# Altium PCB Beagle93.PCBDOC (part 5 of 7) (continued)
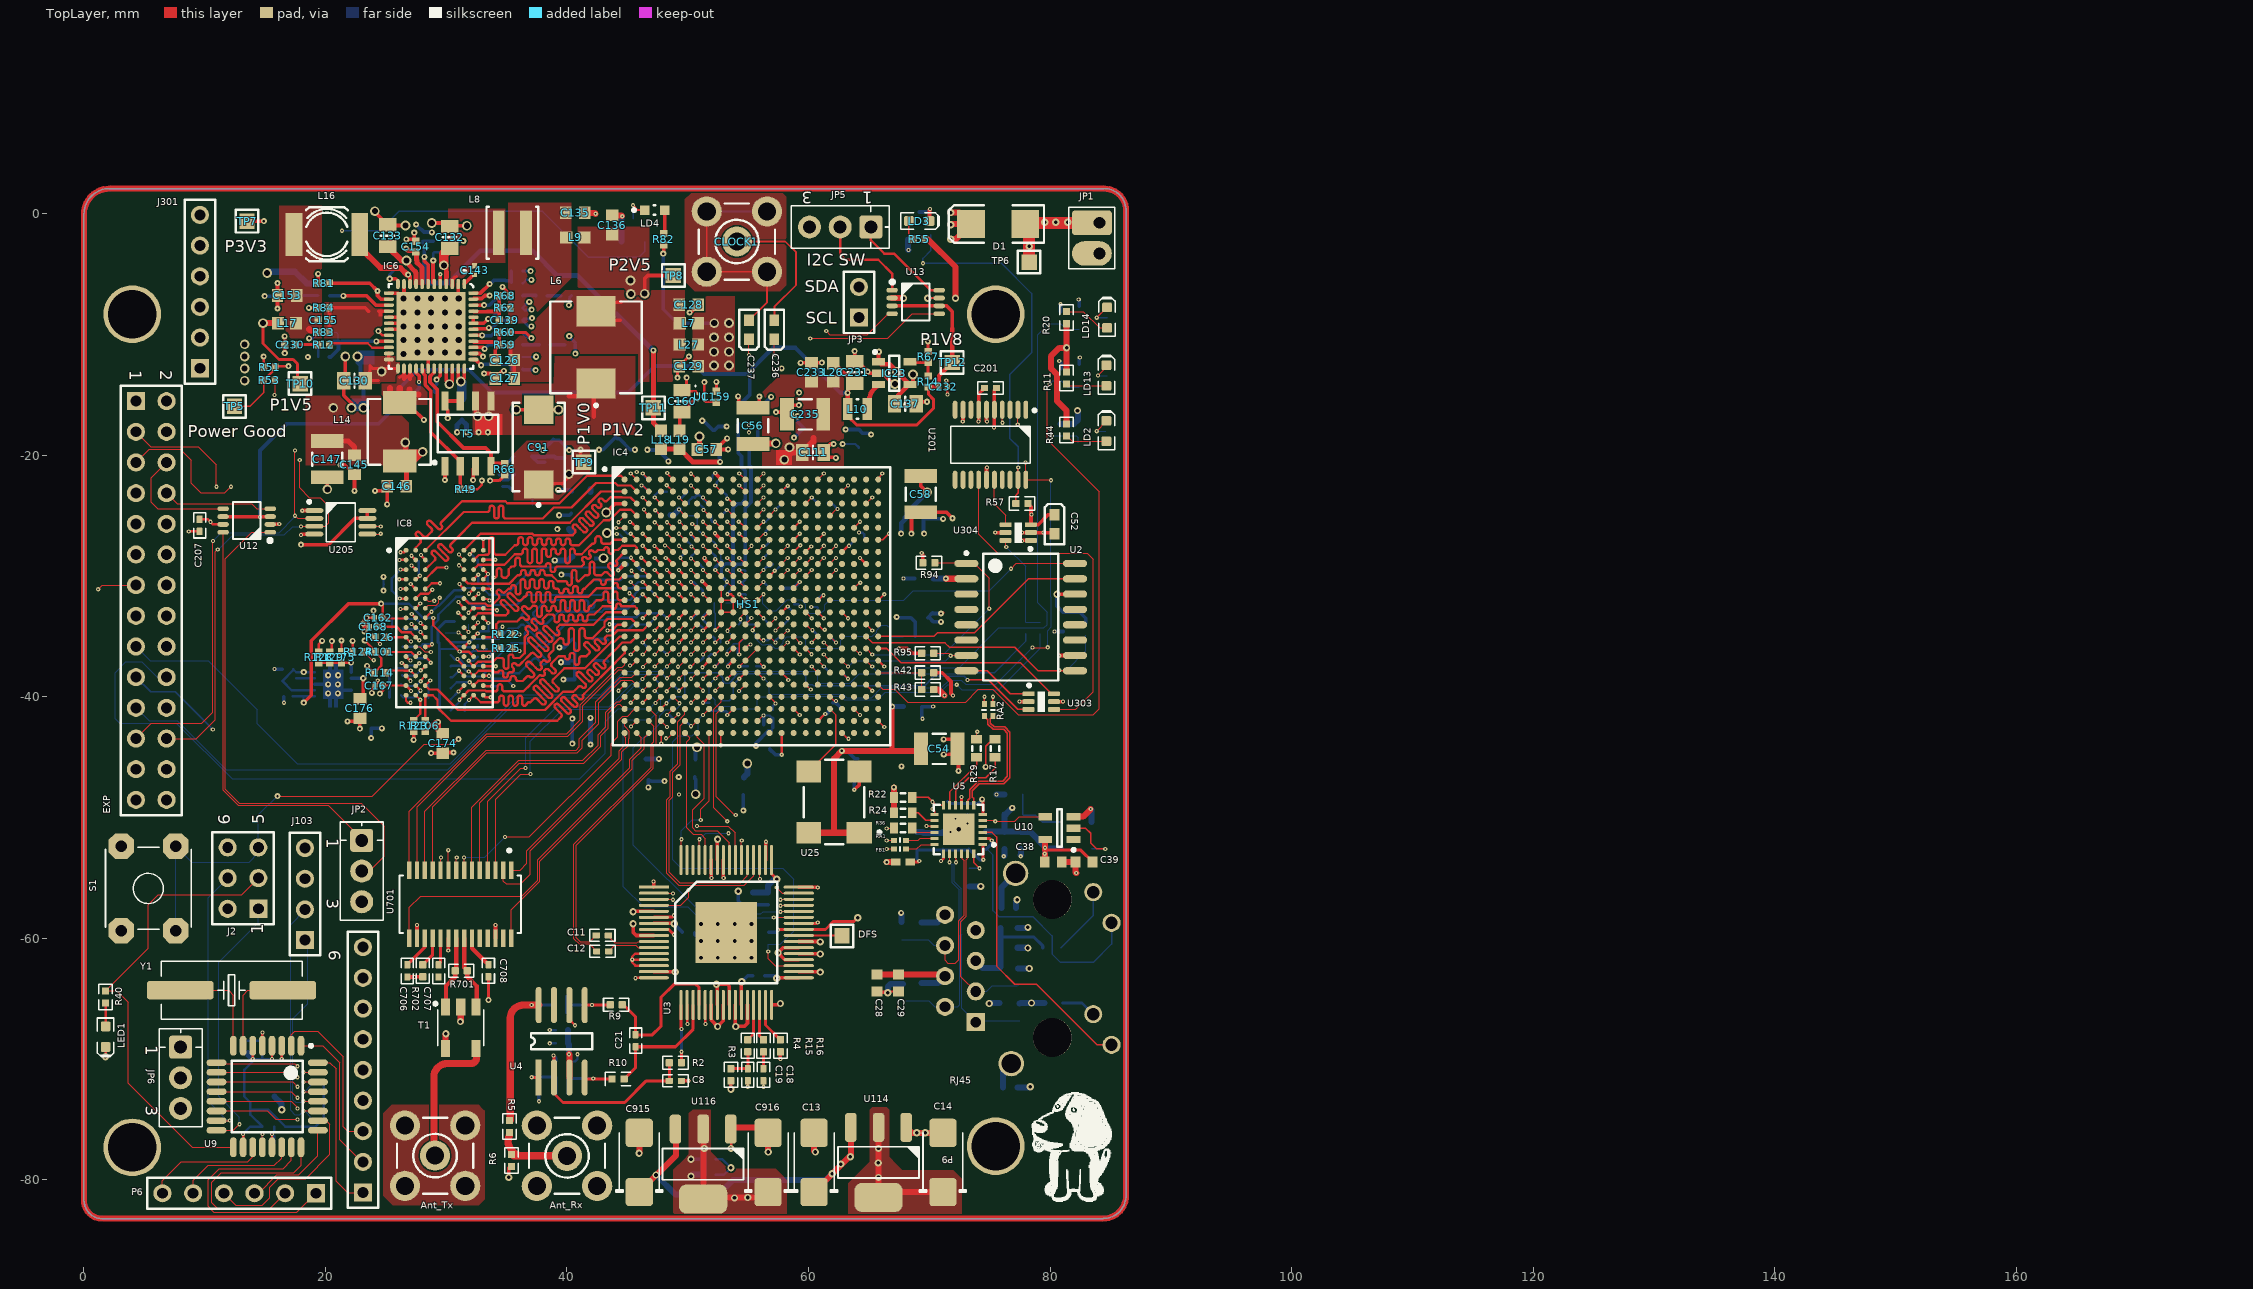
[diagram p0: TopLayer view]
## Nets (pads, with @x,y where several pads share a name; then routed paths per layer and width w, separated by ;. In a path a pad name is that pad's centre, name@x,y a point inside that pad or via, vN(x,y) a via of type N, cw(c..) or ccw(c..) an arc to the next point about the centre after c; other vN are vias at no path point) (continued)
  BottomLayer w0.25: R85.1@36.332,-9.81 36.332,-9.83 36.729,-10.227 37.002,-10.227 v2(37.05,-10.275) ; R72.1@36.366,-4.696 R72.1@36.332,-4.73 v2(36.995,-4.73) ; v2(36.875,-7.275) 36.815,-7.275 C156.1@36.312,-7.778 36.486,-7.952 37.048,-7.952 v2(37.075,-7.925) ; v2(37.05,-9.3) 36.818,-9.3 C157.1@36.312,-8.794 36.414,-8.692 37.033,-8.692 v2(37.1,-8.625) ; v2(40.15,-7.55) 40.198,-7.502 40.198,-6.94 C142.1@40.376,-6.762 ; v2@40.185,-10.153 C138.1@40.688,-10.656
  BottomLayer w0.254: C5.1@50.551,-59.498 50.551,-59.661 v6(51.095,-60.205)
  BottomLayer w0.3: v2(14.958,-6.8) C152.1@15.974,-6.8 ; C34.2@15.672,-73.085 C34.2@15.772,-73.085 ; v1(15.772,-37.685) 15.787,-37.7 C172.1@16.425,-37.7 ; C177.1@16.55,-40 16.55,-40.463 v1(16.572,-40.485) ; v2(18.65,-10.3) 18.9,-10.3 R77.1@19.39,-9.81 ; IC9.8@19.125,-38.95 v2(20.225,-38.95) IC9.11@20.625,-38.95 ; IC9.11@21.125,-39.45 IC9.4@22.125,-39.45 ; v4(22.65,-11.8) 22.65,-12.3 22.9,-12.55 22.9,-13.474 23.3,-13.874 23.15,-14.024 v4(23.15,-16.05) ; v2(23.775,-43.4) C173.1@23.775,-42.6 v2(24.675,-42.6) ; v2(27.5,-0.875) 27.5,-0.9 27.875,-1.275 27.945,-1.275 27.945,-1.277 28.16,-1.492 28.771,-1.492 v2(28.81,-1.531) ; R93.1@30.02,-2.228 30.03,-2.238 v2(31.41,-2.238) v2@31.397,-2.225 ; v1(33.517,-36.651) 34.05,-36.118 C163.1@34.05,-36.025 ; v1@34.021,-28.6 v1(34.06,-28.639) ; C170.1@34.225,-34.55 C170.1@34.25,-34.55 ; R65.1@36.332,-12.858 36.366,-12.892 37.366,-12.892 v2(37.4,-12.926) ; v1(37.672,-73.485) R13.2@37.672,-72.885 ; v2(38,-19.55) 38.875,-18.675 38.938,-18.738 39.363,-18.738 v2(40.175,-19.55) ; v2(39.275,-22.85) 40.278,-22.85 C81.1@40.446,-23.018 ; v2(39.35,-24.95) 40.2,-24.95 C60.1@40.35,-24.8 ; v2(39.375,-35.9) 39.756,-35.9 C110.1@40.446,-35.21 ; v2(39.5,-37.125) 39.637,-36.988 C92.1@40.296,-36.988 C92.1@40.446,-36.988 ; v2(39.535,-29.864) 40.18,-29.864 C93.1@40.446,-30.13 ; v2(39.7,-38.55) 40.65,-38.55 C110.1@40.65,-35.55 ; v2@40.185,-10.153 v2(40.185,-10.113) ; v2(40.446,-43.859) v2(40.446,-41.801) ; v2(40.688,-11.563) C138.1@40.688,-10.826 ; v2(42.65,-19.525) 42.975,-19.525 43.926,-18.574 44.04,-18.46 44.18,-18.601 44.326,-18.601 45.25,-19.525 v2(45.625,-19.525) ; v1(44.25,-29.5) 44.25,-29.359 44.599,-29.01 44.985,-29.01 C85.1@45,-29.025 ; v2@46.65,-19.55 v2(46.65,-19.525) 46.675,-19.55 C148.1@47.525,-19.55 48.398,-20.423 v2(48.398,-20.488) v2@48.385,-20.5 ; v2(46.732,-47.486) C72.1@46.732,-46.84 ; v2(48.075,-46.975) C72.1@47.058,-46.975 ; v2@49.2,-46.65 cw(c49.253,-46.703) v2(49.253,-46.628) ; C96.1@50.594,-46.628 50.594,-46.778 50.65,-46.834 v4(50.65,-48.05) ; v2(51.2,-17.125) 51.3,-17.125 52.1,-17.925 C101.1@52.2,-17.925 52.525,-17.6 v2(53.225,-17.6) ; v3(54.172,-56.085) 54.172,-56.885 54.491,-57.204 C2.1@55.385,-57.204 C1.1@56.655,-57.204 ; v1(54.252,-39.503) v1@54.29,-39.503 ; v3(54.472,-63.585) 54.972,-63.085 C6.1@55.372,-63.085 ; v2(54.6,-49.4) C59.1@54.6,-48.092 ; v2(55.65,-44.05) 55.65,-43.825 56.675,-42.8 C87.1@56.9,-42.8 ; v2@55.925,-15.103 L5.1@55.925,-16 56.05,-16 v2(56.9,-15.15) ; C87.1@56.284,-42.309 v1(56.284,-41.535) ; C87.1@57.025,-42.532 C63.1@57.025,-41.775 ; C55.1@57.625,-31 58.757,-31 v1(59.272,-30.485) ; v2(58.8,-18.525) C149.1@59.6,-17.725 59.1,-17.225 v2(59.1,-16.75) ; 62.016,-40.491 62.278,-40.491 62.628,-40.841 C80.1@62.628,-40.976 ; v2(63.075,-17.85) 64.175,-17.85 64.475,-18.15 v2@65.073,-18.15 ; C66.1@63.75,-46.95 C66.1@63.786,-46.95 ; v1(63.786,-47.69) C66.1@63.786,-46.95 ; C66.1@63.85,-46.625 63.786,-46.689 C66.1@63.786,-46.95 ; C66.1@64.3,-46.95 C66.1@63.786,-46.95 ; v1(67.872,-30.185) C161.1@68.782,-30.185 ; v1(69.45,-41.8) 69.378,-41.728 69.378,-40.798 C76.1@69.528,-40.798 v1(70.323,-40.798) ; v2(69.575,-26.475) 69.525,-26.425 69.525,-25.25 C77.1@69.675,-25.25 v2(71.15,-25.25) ; C67.1@69.868,-33.432 70.275,-33.025 70.335,-33.085 v2(70.972,-33.085) ; C67.1@70,-33.425 70.36,-33.785 v2(70.972,-33.785) ; v1(80.372,-34.585) 80.382,-34.575 C229.1@81.072,-34.575 ; v1(80.772,-12.185) 80.935,-12.347 R19.1@80.935,-12.823 ; R23.1@80.872,-8.085 v1(80.872,-7.485) ; v1(82.372,-7.085) 82.422,-7.135 T12.2@82.422,-7.635 ; T2.2@82.422,-12.435 82.422,-11.935 v1(82.472,-11.885) ; C72.1@46.732,-46.84 ccw(c47.058,-46.515) C72.1@47.058,-46.975 ; C72.1@46.732,-46.84 ccw(c47.058,-46.515) C72.1@47.058,-46.975 ; C72.1@46.732,-46.84 ccw(c47.058,-46.515) C72.1@47.058,-46.975
  BottomLayer w0.4: v2(30.9,-18.075) 30.9,-17.47 C131.1@31.3,-17.07 ; C131.1@31.29,-17.06 C131.1@31.3,-17.07 ; v2(31.675,-18.075) 31.675,-17.445 C131.1@31.3,-17.07
  BottomLayer w0.5: C34.2@15.772,-73.085 16.372,-73.685 v3(16.372,-74.185) ; v2(38.985,-28.689) 40.087,-28.689 40.098,-28.7 C82.1@40.446,-28.352 ; C240.1@40.15,-26.1 C240.1@40.35,-26.3 ; T6.2@44.529,-2.282 44.529,-0.228 v1(44.572,-0.185) ; v3(66.572,-64.485) 66.572,-63.985 66.806,-63.751 C25.1@67.831,-63.751 ; T4.2@68.222,-2.135 68.222,-2.935 v1(68.272,-2.985) ; C36.2@68.972,-51.185 68.979,-51.178 69.452,-51.178 69.534,-51.26 71.133,-51.26 C10.1@71.133,-51.178 71.765,-51.178 v1(71.772,-51.185) ; C27.1@69.355,-58.671 70.679,-58.671 RJ45.8@71.31,-58.04 ; C35.1@71.514,-50.038 72.125,-50.038 v1(72.172,-50.085) ; C22.2@73.165,-49.838 73.165,-50.478 v1(73.172,-50.485) 73.172,-51.085 C9.1@73.272,-51.185 ; R27.1@73.322,-55.685 v3(74.272,-55.685) ; v1(75.572,-48.085) 75.589,-48.068 R37.1@76.225,-48.068 ; v1(76.172,-53.185) 76.213,-53.144 C37.1@76.213,-52.578 ; FB9.1@77.194,-57.466 77.194,-56.863 v3(77.272,-56.785) ; C30.1@77.294,-60.768 78.155,-60.768 v3(78.172,-60.785) ; C31.1@77.294,-59.117 78.14,-59.117 v3(78.172,-59.085) ; FB8.1@77.321,-72.325 78.332,-72.325 v3(78.372,-72.285) ; C26.1@77.356,-62.481 78.268,-62.481 v3(78.272,-62.485) ; C24.1@77.483,-65.402 77.545,-65.34 v3(78.472,-65.34) R32.1@79.527,-65.34 ; v1@77.572,-53.105 77.61,-53.067 C23.1@77.61,-52.578 ; R45.1@80.872,-17.385 81.972,-17.385 T3.2@82.322,-17.035 82.322,-16.335 v3(82.272,-16.285) ; v1(83.372,-49.285) 83.452,-49.365 X2.2@83.452,-50.354
  other v1: 77.572,-53.185 34.66,-34.19 54.3,-32.55 54.222,-25.485 46.372,-24.485 46.172,-22.485
  other v2: 20.225,-39.7 21.025,-39.7 21.025,-38.95 20.225,-38.2 21.05,-38.2 39.2,-26.1 65.186,-18.264 59.225,-14.8 18.533,-11.842
  other v3: 68.972,-76.085 69.672,-76.085
  other v5: 26.464,-11.588 27.607,-11.461 28.75,-11.461 29.893,-11.461 31.036,-11.461 26.464,-10.445 27.607,-10.445 28.75,-10.445 29.893,-10.445 31.036,-10.445 26.464,-9.302 27.607,-9.302 29.893,-9.302 31.036,-9.302 26.464,-8.159 27.607,-8.159 28.75,-8.159 29.893,-8.159 31.036,-8.159 26.464,-7.016 27.607,-7.016 28.75,-7.016 29.893,-7.016 31.036,-7.016
  other v6: 51.095,-61.602 52.492,-61.602 53.889,-61.602 55.286,-61.602 52.492,-60.205 53.889,-60.205 55.286,-60.205 51.095,-58.808 52.492,-58.808 53.889,-58.808 55.286,-58.808
  other v8: 72.435,-50.969
I2C2_SCL/GPIO_168: EXP.24 IC4.N13 U201.2 U205.3 | length 122.8
  TopLayer w0.1: EXP.24@6.84,-43.44 9.317,-43.44 10.872,-41.885 10.872,-27.985 v1(11.072,-27.785) ; v1(17.872,-20.385) 17.872,-22.685 18.672,-23.485 19.572,-23.485 20.272,-24.185 20.272,-25.585 19.997,-25.86 U205.3@19.072,-25.86 17.997,-25.86 v1(17.972,-25.885) ; IC4.N13@56.772,-33.985 v1(57.272,-33.485) ; v1(77.322,-17.435) 77.345,-17.412 U201.2@77.345,-16.212
  MidLayer2 w0.1: v1(17.872,-20.385) 17.872,-19.485 19.556,-17.801 28.472,-17.801 29.356,-18.685 33.972,-18.685 34.856,-17.801 39.972,-17.801 39.996,-17.825 51.224,-17.825 51.449,-18.05 55.307,-18.05 55.415,-17.942 55.434,-17.961 61.647,-17.961 61.986,-18.3 63.857,-18.3 64.271,-18.714 76.043,-18.714 v1(77.322,-17.435)
  SignalLayer1 w0.1: v1(55.072,-18.085) 55.682,-17.475 59.004,-17.475 60.071,-18.542 60.071,-21.523 57.484,-24.11 57.117,-24.11 56.825,-24.402 56.825,-26.651 56.823,-26.653 56.823,-28.55 ; 56.832,-28.55 56.832,-29.705 56.872,-29.745 56.872,-33.085 v1(57.272,-33.485)
  BottomLayer w0.1: v1(11.072,-27.785) 11.161,-27.785 12.372,-26.574 16.583,-26.574 17.272,-25.885 v1(17.972,-25.885)
I2C2_SDA/GPIO_183: EXP.23 IC4.N14 U201.4 U205.2 | length 124.2
  TopLayer w0.1: EXP.23@4.3,-43.44 5.555,-42.185 9.772,-42.185 10.683,-41.274 v1(10.683,-27.085) ; v1(17.472,-19.585) v1(17.472,-24.985) 17.697,-25.21 U205.2@19.072,-25.21 ; v1(57.272,-34.485) IC4.N14@57.772,-33.985 ; U201.4@76.045,-16.212 76.045,-17.258 v1(76.072,-17.285)
  MidLayer2 w0.1: v1(17.472,-19.585) 19.457,-17.6 52.379,-17.6 52.854,-17.125 53.422,-17.125 53.797,-17.5 55.222,-17.5 55.507,-17.785 62.504,-17.785 62.889,-17.4 63.261,-17.4 63.646,-17.785 74.372,-17.785 74.672,-18.085 75.772,-18.085 76.072,-17.785 v1(76.072,-17.285)
  SignalLayer1 w0.1: v1(55.072,-17.485) 54.697,-17.86 54.697,-18.299 54.94,-18.542 55.321,-18.542 56.134,-17.729 59.009,-17.729 59.895,-18.615 59.895,-21.436 57.397,-23.934 57.044,-23.934 56.649,-24.329 56.649,-25.639 56.075,-26.212 56.075,-26.693 56.647,-27.266 56.647,-31.536 56.696,-31.585 56.696,-33.439 57.272,-34.015 v1(57.272,-34.485)
  BottomLayer w0.1: v1(10.683,-27.085) 11.383,-26.385 16.172,-26.385 17.472,-25.085 v1(17.472,-24.985)
I2C_SW_SCL: IC4.J16 JP3.1 | length 26.1
  TopLayer w0.125: IC4.J16@59.772,-29.985 v1(60.272,-29.485)
  SignalLayer1 w0.125: v1(60.272,-29.485) 59.772,-29.985 59.172,-29.985 58.872,-29.685 58.872,-24.054 61.053,-21.873 61.433,-21.873 64.29,-19.015 64.29,-8.703 JP3.1@64.172,-8.585
I2C_SW_SDA: IC4.F15 JP3.2 | length 24.8
  TopLayer w0.125: IC4.F15@58.772,-26.985 v1(59.272,-26.485)
  SignalLayer1 w0.125: v1(59.272,-26.485) 62.885,-22.873 62.885,-22.325 65.649,-19.56 65.649,-18.072 65.372,-17.795 65.372,-10.948 65.872,-10.447 65.872,-7.745 JP3.2@64.172,-6.045
LED1: RJ45.9 U5.3 | length 24.2
  TopLayer w0.127: U5.3@74.435,-51.219 75.206,-51.219 75.572,-51.585 75.572,-62.285 77.072,-63.785 78.872,-63.785 83.897,-68.81 RJ45.9@85.1,-68.81
LED2: R26.2 RJ45.11 U5.2 | length 22
  TopLayer w0.254: U5.2@74.435,-51.719 75.006,-51.719 v1(75.172,-51.885)
  BottomLayer w0.127: R26.2@74.689,-52.64 74.827,-52.64 75.272,-53.085 75.272,-57.685 75.772,-58.185 78.572,-58.185 80.172,-59.785 80.172,-61.285 80.872,-61.985 83.572,-61.985 85.1,-60.457 RJ45.11@85.1,-58.7
  BottomLayer w0.254: R26.2@74.689,-52.64 75.172,-52.157 v1(75.172,-51.885)
LED_USER1: IC4.N17 R45.2 T3.1 | length 55
  TopLayer w0.125: IC4.N17@60.772,-33.985 61.212,-34.425 v1(61.35,-34.425)
  MidLayer2 w0.1: v2(57.772,-12.785) 58.572,-12.785 62.072,-16.285 77.072,-16.285 79.172,-18.385 v1(80.172,-18.385)
  SignalLayer1 w0.1: v2(57.772,-12.785) 57.846,-12.785 60.276,-15.214 60.276,-21.568 57.696,-24.148 57.696,-33.439 58.117,-33.86 60.785,-33.86 v1(61.35,-34.425)
  BottomLayer w0.1: v1(80.172,-18.385) R45.2@80.872,-18.385 82.172,-18.385 82.322,-18.535 T3.1@82.322,-18.935
LED_USER2: IC4.V22 R19.2 T2.1 | length 52
  TopLayer w0.1: IC4.V22@65.772,-38.985 66.147,-39.36 67.147,-39.36 68.21,-40.423 73.009,-40.423 74.072,-39.36 75.247,-39.36 77.372,-41.485 83.572,-41.485 84.072,-40.985 84.072,-22.985 79.772,-18.685 79.772,-14.285 v1(79.972,-14.085)
  BottomLayer w0.1: v1(79.972,-14.085) 80.235,-13.823 R19.2@80.935,-13.823 81.447,-14.335 T2.1@82.422,-14.335
LED_USER3: IC4.T21 R23.2 T12.1 | length 45.3
  TopLayer w0.1: IC4.T21@64.772,-36.985 v1(65.272,-37.485)
  BottomLayer w0.1: v1(65.272,-37.485) 65.686,-37.899 67.058,-37.899 67.372,-37.585 72.472,-37.585 75.772,-34.285 79.498,-34.285 79.756,-34.027 79.756,-32.995 78.972,-32.211 78.972,-9.985 79.872,-9.085 R23.2@80.872,-9.085 81.322,-9.535 T12.1@82.422,-9.535
M1M2: R47.1 R48.1 U304.6 | length 8.7
  TopLayer w0.1: U304.6@76.322,-27.035 76.322,-27.535 v1(76.372,-27.585)
  BottomLayer w0.1: v1(76.372,-27.585) 77.972,-29.185 R47.1@77.972,-33.815 R48.1@79.172,-33.815
MCBSP3_DR: EXP.10
MCBSP3_DX: EXP.4 IC4.U17 | length 102.3
  TopLayer w0.1: v1(60.272,-37.485) IC4.U17@60.772,-37.985
  MidLayer2 w0.1: EXP.4@6.84,-18.04 5.595,-19.285 3.072,-19.285 2.072,-20.285 2.072,-45.936 3.221,-47.085 37.872,-47.085 39.445,-45.512 42.349,-45.512 44.972,-48.135 48.622,-48.135 49.478,-47.279 58.995,-47.279 59.987,-46.287 59.987,-45.27 60.772,-44.485 60.772,-37.985 v1(60.272,-37.485)
MCSPI3_CS1: EXP.13 IC4.AA5 | length 76.2
  TopLayer w0.1: v1(1.172,-31.085) 1.517,-30.74 EXP.13@4.3,-30.74 ; IC4.AA5@48.772,-41.985 48.772,-41.885 v1(49.222,-41.435)
  MidLayer2 w0.1: v1(1.172,-31.085) 1.796,-31.709 1.796,-46.109 2.948,-47.261 16.372,-47.261 16.472,-47.361 30.895,-47.361 30.995,-47.261 37.945,-47.261 39.518,-45.689 42.276,-45.689 44.899,-48.311 49.046,-48.311 v1(49.272,-48.085)
  SignalLayer1 w0.1: v1(49.222,-41.435) 48.818,-41.839 48.818,-45.869 48.764,-45.923 48.764,-47.577 v1(49.272,-48.085)
MGTAVCC: C57.2 C100.2 C123.2 C124.2 C125.2 C148.2 IC4.D6 IC4.D10 IC4.E8 IC4.F7 IC4.F9 L15.2 | length 7.6
  TopLayer w0.125: v1(49.272,-24.485) IC4.D6@49.772,-24.985 ; v1(50.272,-26.485) IC4.F7@50.772,-26.985 ; v1(51.272,-25.485) IC4.E8@51.772,-25.985 ; v1(53.236,-24.514) 53.301,-24.514 IC4.D10@53.772,-24.985
  TopLayer w0.3: v1(52.261,-26.439) 52.261,-26.474 IC4.F9@52.772,-26.985
  TopLayer w0.4: C57.2@50.975,-19.373 v4(50.975,-18.425)
  BottomLayer w0.2: v1(50.272,-26.485) 50.272,-26.622 C123.2@50.65,-27 ; v1(52.261,-26.439) 52.261,-26.561 52.65,-26.95 C100.2@52.65,-26.975 ; C124.2@52.65,-25 52.757,-25 53.236,-24.521 v1(53.236,-24.514)
  BottomLayer w0.5: C125.2@48.572,-24.935 48.822,-24.935 v1(49.272,-24.485)
MGTAVTT: C97.2 C101.2 C112.2 C113.2 C114.2 C115.2 C116.2 IC4.B5 IC4.B7 IC4.B9 IC4.B11 IC4.C4 IC4.C8 L18.2 L19.2 R191.1 | length 15.6
  TopLayer w0.125: v1(47.272,-23.485) IC4.C4@47.772,-23.985 ; v1(48.261,-22.464) 48.261,-22.474 IC4.B5@48.772,-22.985 ; v1(50.272,-22.485) IC4.B7@50.772,-22.985 ; v1(51.272,-23.485) IC4.C8@51.772,-23.985 ; v1(52.272,-22.485) IC4.B9@52.772,-22.985 ; v1(54.272,-22.485) IC4.B11@54.772,-22.985
  TopLayer w0.4: L18.2@47.8,-19.45 L19.2@49.324,-19.45 49.324,-19.458 50.395,-20.529 v2(52.677,-20.529)
  BottomLayer w0.2: v1(47.272,-23.485) 47.272,-23.303 C115.2@47.575,-23 48.275,-23 ; R191.1@50.072,-23.985 50.072,-23.785 50.381,-23.476 50.563,-23.476 50.572,-23.485 50.69,-23.367 ; C116.2@50.69,-23.018 50.69,-23.367 ; C97.2@51.65,-24 51.272,-23.622 v1(51.272,-23.485) 51.157,-23.485 50.957,-23.285 50.772,-23.285 50.69,-23.367 ; v1(52.272,-22.485) 52.4,-22.357 52.4,-22.2 C112.2@52.625,-21.975
  BottomLayer w0.3: C101.2@52.426,-19.3 52.626,-19.5 52.626,-20.478 v2(52.677,-20.529)
MISO: J2.1 U9.16 | length 22
  TopLayer w0.1: U9.16@10.972,-75.885 12.372,-75.885 v1(12.872,-75.385)
  BottomLayer w0.1: v1(12.872,-75.385) 12.872,-74.785 11.172,-73.085 11.172,-61.985 14.44,-58.717 J2.1@14.44,-57.54
MMBSP3_CLKX/UART2_TX/GPIO_142: EXP.6 U12.5 | length 10
  TopLayer w0.1: EXP.6@6.84,-20.58 5.572,-21.848 5.572,-23.885 6.097,-24.41 U12.5@11.522,-24.41
MMBSP3_FSX/UART2_RX/GPIO_143: EXP.8 U12.4 | length 9.1
  TopLayer w0.1: EXP.8@6.84,-23.12 7.705,-23.985 13.872,-23.985 14.297,-24.41 U12.4@15.422,-24.41
MOSI: J2.4 U9.15 | length 22.7
  TopLayer w0.1: U9.15@10.972,-75.085 v1(12.072,-75.085)
  BottomLayer w0.1: J2.4@11.9,-55 10.272,-56.628 10.272,-73.485 11.872,-75.085 v1(12.072,-75.085)
NetAnt_Rx_1: Ant_Rx.1 R5.2 R6.1 | length 6.4
  TopLayer w0.6: R5.2@35.212,-76.363 ccw(c36.213,-76.795) 35.23,-77.267 ; 35.327,-77.394 ccw(c36.311,-76.922) 36.144,-78 ; R6.1@35.56,-77.985 35.575,-78 36.144,-78 ; Ant_Rx.1@40,-78 36.144,-78
NetC8_2: C8.2 C20.2 R2.2 U4.2 | length 15.9
  TopLayer w0.254: v1(38.872,-69.685) 38.926,-69.739 U4.2@38.926,-71.512 38.926,-72.839 39.672,-73.585 44.772,-73.585 46.572,-71.785 C8.2@48.472,-71.785 R2.2@48.472,-70.285
  BottomLayer w0.254: v1(38.872,-69.685) 39.072,-69.885 C20.2@39.072,-70.185
NetC9_2: C9.2 C10.2 C36.1 FB1.2 U5.1 U5.19 | length 10.7
  TopLayer w0.127: v1@74.435,-53.448 v1(74.472,-53.485)
  TopLayer w0.254: FB1.2@68.431,-53.656 69.101,-53.656 v1(69.172,-53.585) ; v1(70.972,-53.585) 71.185,-53.372 U5.19@71.185,-52.969 ; v1@74.435,-53.448 U5.1@74.435,-52.219
  BottomLayer w0.254: v1(69.172,-53.585) 68.972,-53.385 68.972,-52.685 C10.2@71.133,-52.685 ; v1(70.972,-53.585) 71.133,-53.424 C10.2@71.133,-52.685 ; C10.2@71.133,-52.578 C10.2@71.133,-52.685 ; v1(74.472,-53.485) 74.172,-53.485 C9.2@73.272,-52.585 73.172,-52.685 C10.2@71.133,-52.685
NetC15_1: C15.1 R7.1 R9.2 U4.5 | length 5.7
  TopLayer w0.254: U4.5@41.466,-65.512 v1(42.072,-65.512) 43.645,-65.512 R9.2@43.672,-65.485
  BottomLayer w0.254: C15.1@39.972,-66.185 39.972,-65.485 ; R7.1@39.972,-64.785 39.972,-65.485 ; v1(42.072,-65.512) 39.999,-65.512 39.972,-65.485
NetC15_2: C15.2 R5.1 R7.2 U4.8 | length 14.8
  TopLayer w0.6: 35.305,-66.594 cw(c36.396,-66.599) 36.396,-65.508 ; R5.1@35.306,-75.065 35.306,-66.551 ; 36.345,-65.512 v1(37.072,-65.512) U4.8@37.656,-65.512
  BottomLayer w0.254: v1(37.072,-65.512) 38.972,-65.512 ; C15.2@38.972,-66.185 38.972,-65.512 ; R7.2@38.972,-64.785 38.972,-65.512
NetC16_1: C16.1 R8.1 R10.2 U4.4 | length 5.9
  TopLayer w0.095: U4.4@41.466,-71.512 U4.4@41.593,-71.639
  TopLayer w0.254: U4.4@41.593,-71.639 R10.2@43.735,-71.639
  BottomLayer w0.254: C16.1@40.072,-72.885 R8.1@40.072,-71.485 40.172,-71.585 v1(42.172,-71.585)
NetC16_2: C16.2 R8.2 R13.1 U4.1 | length 4.4
  TopLayer w0.254: v1(37.072,-71.485) 37.099,-71.512 U4.1@37.656,-71.512
  BottomLayer w0.254: v1(37.072,-71.485) 37.672,-71.485 ; R13.1@37.672,-71.885 37.672,-71.485 ; C16.2@39.072,-72.885 39.072,-71.485 37.672,-71.485
NetC18_2: C18.2 R15.2 | length 1.4
  TopLayer w0.254: C18.2@56.272,-70.785 R15.2@56.272,-69.385
NetC19_2: C19.2 R3.2 R4.2 | length 2.8
  TopLayer w0.254: R3.2@53.572,-70.785 C19.2@54.972,-70.785 R4.2@54.972,-69.385
NetC21_1: C21.1 R9.1 U3.20 | length 12.9
  TopLayer w0.254: R9.1@44.672,-65.485 45.682,-66.495 C21.1@45.682,-67.964 45.703,-67.985 47.072,-67.985 47.772,-67.285 47.772,-64.885 48.872,-63.785 50.672,-63.785 50.945,-64.058 U3.20@50.945,-65.502
NetC21_2: C21.2 R10.1 U3.19 | length 10.4
  TopLayer w0.254: R10.1@44.735,-71.639 45.682,-70.692 C21.2@45.682,-68.964 48.993,-68.964 50.445,-67.512 U3.19@50.445,-65.502
NetC53_1: C53.1 U9.20 | length 1.9
  TopLayer w0.1: U9.20@14.772,-77.285 v1(14.772,-76.185)
  BottomLayer w0.1: C53.1@14.772,-76.985 v1(14.772,-76.185)
NetC126_1: C126.1 IC6.40 R59.1 R60.2 | length 4.2
  TopLayer w0.3: IC6.40@32.25,-10.552 32.3,-10.602 R59.1@34.27,-10.602 ; C126.1@34.046,-12.096 34.046,-11.179 R59.1@34.225,-11 ; R59.1@34.376,-10.826 R60.2@34.376,-9.81
NetC126_2: C126.2 C127.2 C128.2 L6.2 L7.1 L27.1 R59.2 | length 7.7
  TopLayer w0.3: R59.2@35.316,-10.826 35.316,-11.766 C126.2@35.646,-12.096 C127.2@35.646,-13.62 ; 44.4,-8.8 43.15,-8.8 L6.2@42.4,-8.05 43.15,-7.3 44.5,-7.3
NetC134_1: C134.1 IC6.33 IC6.34 L6.1 T5.5 T5.6 | length 9.5
  TopLayer w0.3: IC6.33@30,-12.802 30,-13.837 v4(30.255,-14.092) 30.5,-13.847 IC6.34@30.5,-12.802 ; T5.6@32.433,-15.492 32.433,-16.583 v4(32.6,-16.75) ; T5.5@33.703,-15.797 T5.5@33.703,-15.492
  TopLayer w0.4: v4(32.6,-16.75) 32.6,-18 v2(32.675,-18.075) ; 40.154,-15.096 42.212,-15.096 42.212,-16.762
  other v2: 33.45,-18.075
  other v4: 33.51,-16.764
NetC134_2: C134.2 IC6.32 | length 2.7
  TopLayer w0.3: v2(29.21,-13.714) 29.21,-13.69 29.493,-13.407 ; IC6.32@29.5,-12.802 IC6.32@29.5,-12.838 ; 29.493,-13.407 29.493,-12.845 IC6.32@29.5,-12.838 ; 29.493,-13.407 29.5,-13.4 IC6.32@29.5,-12.838
  BottomLayer w0.3: C134.2@29.05,-14.775 29.05,-14.25 29.21,-14.09 v2(29.21,-13.714)
NetC135_2: C135.2 C139.2 L8.2 L9.1 R62.2
NetC138_2: C138.2 R63.1 | length 1.2
  BottomLayer w0.3: R63.1@38.618,-10.826 C138.2@39.788,-10.826
NetC139_1: C139.1 IC6.45 R62.1 R68.2 | length 4.5
  TopLayer w0.3: IC6.45@32.25,-8.052 32.3,-8.102 33.369,-8.102 33.394,-8.077 34.376,-8.077 R62.1@34.376,-7.778 ; C139.1@34.396,-8.794 R68.2@34.396,-6.782
NetC140_1: C140.1 IC6.26 IC6.27 L14.1 T5.7 T5.8 | length 21.9
  TopLayer w0.254: IC6.27@27.002,-13.07 ccw(c27.462,-12.989) 27.2,-13.375 ; 26.125,-13.525 ccw(c25.951,-12.976) IC6.26@26.48,-13.203 ; 26.125,-13.525 ccw(c25.951,-12.976) IC6.26@26.48,-13.203 ; 26.125,-13.525 ccw(c25.951,-12.976) IC6.26@26.48,-13.203 ; IC6.26@26.48,-13.203 ccw(c25.951,-12.976) IC6.26@26.5,-13.15 ; IC6.26@26.48,-13.203 ccw(c26.974,-13.026) 26.5,-13.25 ; IC6.26@26.48,-13.203 ccw(c26.974,-13.026) 26.5,-13.25 ; IC6.26@26.48,-13.203 ccw(c25.951,-12.976) IC6.26@26.5,-13.15 ; IC6.26@26.48,-13.203 ccw(c25.951,-12.976) IC6.26@26.5,-13.15 ; IC6.26@26.48,-13.203 ccw(c26.974,-13.026) 26.5,-13.25 ; 26.5,-13.25 ccw(c26.974,-13.026) 26.75,-13.5 ; 26.5,-13.25 ccw(c26.974,-13.026) 26.75,-13.5 ; 26.5,-13.25 ccw(c26.974,-13.026) 26.75,-13.5 ; 26.7,-13.525 ccw(c26.489,-13.013) 26.973,-13.28 ; 26.7,-13.525 ccw(c26.489,-13.013) 26.973,-13.28 ; 26.7,-13.525 ccw(c26.489,-13.013) 26.973,-13.28 ; 26.973,-13.28 ccw(c26.489,-13.013) IC6.27@27,-13.225 ; 26.973,-13.28 ccw(c26.489,-13.013) IC6.27@27,-13.225 ; 26.973,-13.28 ccw(c26.489,-13.013) IC6.27@27,-13.225 ; 26.973,-13.28 ccw(c27.387,-13.064) 27,-13.325 ; 26.973,-13.28 ccw(c27.387,-13.064) 27,-13.325 ; 26.973,-13.28 ccw(c27.387,-13.064) 27,-13.325
  TopLayer w0.3: 26.5,-13.675 26.5,-13.25 26.5,-13.15 IC6.26@26.5,-12.802 ; 27,-13.675 27,-13.325 27,-13.225 IC6.27@27,-12.802 ; L14.1@27.226,-15.298 27.226,-16.126 v2(28.15,-17.05) ; v2(30.125,-16.9) 30.125,-16.257 29.893,-16.025 T5.8@29.893,-15.492 T5.7@31.163,-15.492
  TopLayer w0.5: 25.35,-14.425 25.35,-15.8 26.011,-15.397 L14.1@26.15,-15.312 ; 26.15,-14.4 L14.1@26.15,-15.312 ; 26.95,-14.525 26.95,-14.825 L14.1@26.15,-15.312 ; 27.7,-14.95 26.825,-14.95 L14.1@26.15,-15.625 L14.1@26.15,-15.312
  MidLayer2 w0.3: v2(28.15,-17.05) 28.3,-16.9 v2(30.125,-16.9)
  BottomLayer w0.15: C140.1@27.48,-15.494 27.48,-16.338 28.15,-17.008 v2(28.15,-17.05)
NetC140_2: C140.2 IC6.28 | length 2.2
  TopLayer w0.3: IC6.28@27.5,-12.802 27.5,-13.138 27.75,-13.388 v1(27.75,-13.925)
  BottomLayer w0.3: C140.2@27.48,-14.794 27.48,-14.695 27.75,-14.425 v1(27.75,-13.925)
NetC142_2: C142.2 R70.1 | length 1.1
  BottomLayer w0.3: R70.1@38.364,-6.762 C142.2@39.476,-6.762
NetC143_1: C143.1 IC6.3 L8.1 | length 0.8
  TopLayer w0.254: IC6.3@30.5,-5.802 cw(c30.989,-5.663) 30.85,-5.175
NetC143_2: C143.2 IC6.1 | length 1.1
  TopLayer w0.3: IC6.1@31.5,-5.802 C143.2@32.306,-4.996
NetC145_2: C145.2 C146.2 C147.2 C150.2 L11.1 L12.1 L13.1 L14.2 L15.1 L28.1 R75.2 | length 17.9
  TopLayer w0.4: C147.2@20.15,-18.8 21.9,-18.8 22.4,-19.3 C145.2@22.4,-19.975 ; v4(26.616,-18.929) L14.2@26.616,-19.7 ; C146.2@26.7,-22.55 26.7,-21.026 L14.2@26.15,-20.476 ; L14.2@27.275,-20.476 L14.2@26.15,-20.476 ; v4(28.05,-19.7) L14.2@26.616,-19.7 ; L14.2@26.15,-20.476 26.616,-20.009 L14.2@26.616,-19.7
  TopLayer w0.5: L14.2@27.275,-20.476 v4(28.05,-19.7)
  BottomLayer w0.2: R75.2@19.39,-11.842 C150.2@19.39,-10.846
  BottomLayer w0.25: 34.4,-21.05 35.1,-21.05 L11.1@35.6,-21.55 35.1,-22.05 34.65,-22.05 ; 34.65,-22.55 35.125,-22.55 L28.1@35.6,-23.025 ; 34.65,-20.55 35.125,-20.55 L12.1@35.6,-20.075
  BottomLayer w0.35: 34.4,-21.55 L11.1@35.6,-21.55
  other v4: 20.65,-16.05
NetC150_1: C150.1 IC6.21 R75.1 R77.2 | length 8.7
  TopLayer w0.3: v2(24.209,-10.552) IC6.21@25.25,-10.552
  BottomLayer w0.1: C150.1@20.31,-10.826 21.074,-10.826 ; R77.2@20.33,-9.81 20.9,-9.81 21.074,-9.984 21.074,-10.552
  BottomLayer w0.3: C150.1@20.31,-10.826 20.584,-10.552 21.074,-10.552 ; R75.1@20.33,-11.842 20.436,-11.842 21.074,-11.204 21.074,-10.826 21.348,-10.552 v2(24.209,-10.552)
NetC151_1: C151.1 IC6.10 L16.1 | length 6.5
  TopLayer w0.25: v2(26.85,-5.025) v2@27,-5.175
  TopLayer w0.3: IC6.10@27,-5.802 v2@27,-5.175
  TopLayer w0.5: L16.1@22.839,-2.756 24.559,-4.476 26.21,-4.476 26.759,-5.025 v2(26.85,-5.025)
  BottomLayer w0.25: C151.1@26.306,-4.73 26.601,-5.025 v2(26.85,-5.025)
NetC151_2: C151.2 IC6.12 | length 1.8
  TopLayer w0.25: v2(25.321,-5.365) 25.815,-5.365 26,-5.55 IC6.12@26,-5.802
  BottomLayer w0.25: v2(25.321,-5.365) 25.321,-5.015 25.593,-4.743 C151.2@25.606,-4.73
NetC152_2: C152.2 R79.1 | length 1.8
  BottomLayer w0.25: C152.2@17.612,-6.762 R79.1@19.39,-6.762
NetC153_2: C153.2 C155.2 L16.2 L17.1 R83.2 | length 0.8
  TopLayer w0.508: 18.65,-9.55 18.746,-9.646 19.226,-9.646 R83.2@19.39,-9.81
NetC155_1: C155.1 IC6.16 R83.1 R84.2 | length 6.2
  TopLayer w0.3: R83.1@20.33,-9.81 R84.2@20.33,-7.778 23.289,-7.778 23.563,-8.052 ; 24.4,-8.05 24.402,-8.052 IC6.16@25.25,-8.052
NetC156_2: C156.2 IC6.38 IC6.43 IC6.44 IC6.47 | length 12.7
  TopLayer w0.3: IC6.38@32.25,-11.552 32.778,-11.552 v2(33.043,-11.817) ; IC6.44@32.25,-8.552 IC6.43@32.25,-9.052 33.115,-9.052 v2(33.474,-8.692) ; IC6.47@32.25,-7.052 32.3,-7.002 32.949,-7.002 33.201,-6.75 v2(33.6,-6.75)
  MidLayer2 w0.3: v2(33.043,-11.817) 32.357,-11.131 32.357,-9.715 33.38,-8.692 v2(33.474,-8.692) 33.474,-8.286 33.805,-7.956 33.805,-7.143 33.6,-6.938 v2(33.6,-6.75)
  BottomLayer w0.3: v2(33.474,-8.692) 33.728,-8.692 34.643,-7.778 C156.2@35.412,-7.778
NetC157_2: C157.2 IC6.42 | length 3.5
  TopLayer w0.3: IC6.42@32.25,-9.552 32.3,-9.502 33.448,-9.502 v2(33.525,-9.425)
  BottomLayer w0.3: v2(33.525,-9.425) 33.859,-9.425 34.49,-8.794 C157.2@35.412,-8.794
NetC160_2: C160.2 L19.1 U1.B1 | length 3.4
  TopLayer w0.2: 50.556,-15.394 U1.B1@50.852,-15.394
  TopLayer w0.3: L19.1@49.324,-17.95 49.324,-16.626 50.556,-15.394
NetC175_2: C175.2 IC9.1 R128.2 R129.2 | length 3.5
  TopLayer w0.2: R128.2@19.47,-37.15 C175.2@21.325,-37.15 v2(22.125,-37.15)
  BottomLayer w0.3: IC9.1@22.125,-37.95 v2(22.125,-37.15)
NetC230_2: C230.2 R12.1 | length 1.9
  TopLayer w0.25: C230.2@17.516,-10.826 R12.1@19.39,-10.826